# Altium PCB Heart-by-LED.PcbDoc
Units mm, origin at the board's own origin, x right, y up, seen from the top; angles counter-clockwise.
Board outline 98 x 98 mm, 4 copper layers (Top Copper, Signal Layer 1 (VCC), Signal Layer 2 (GND), Bottom Copper), stack 0.77 mm thick; 128 components, 112 nets, 411 pads, 1218 vias.
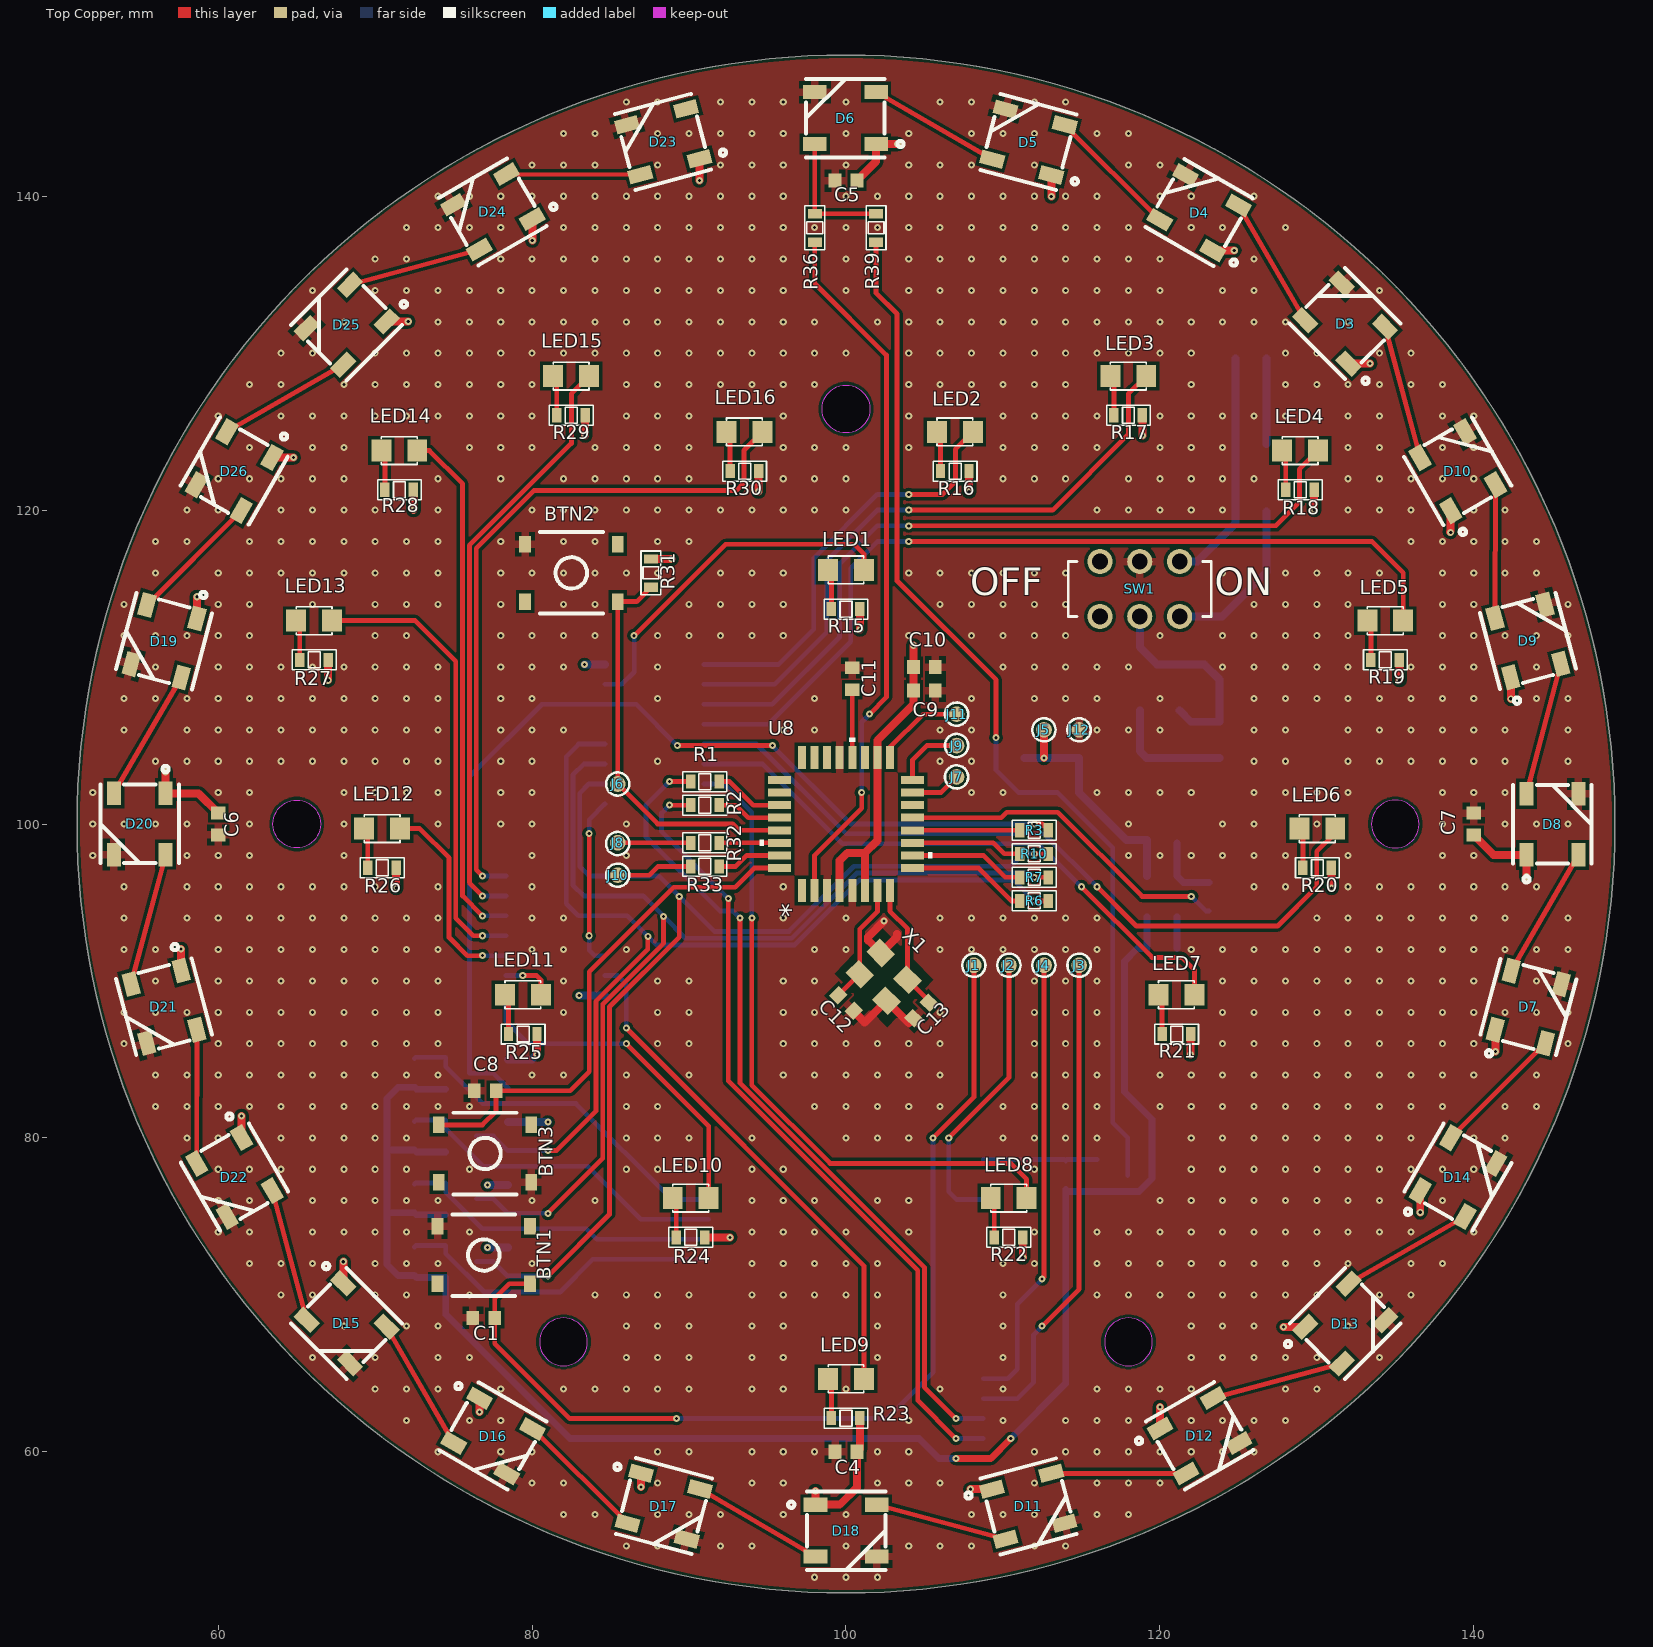
[diagram p0: Top Copper view]
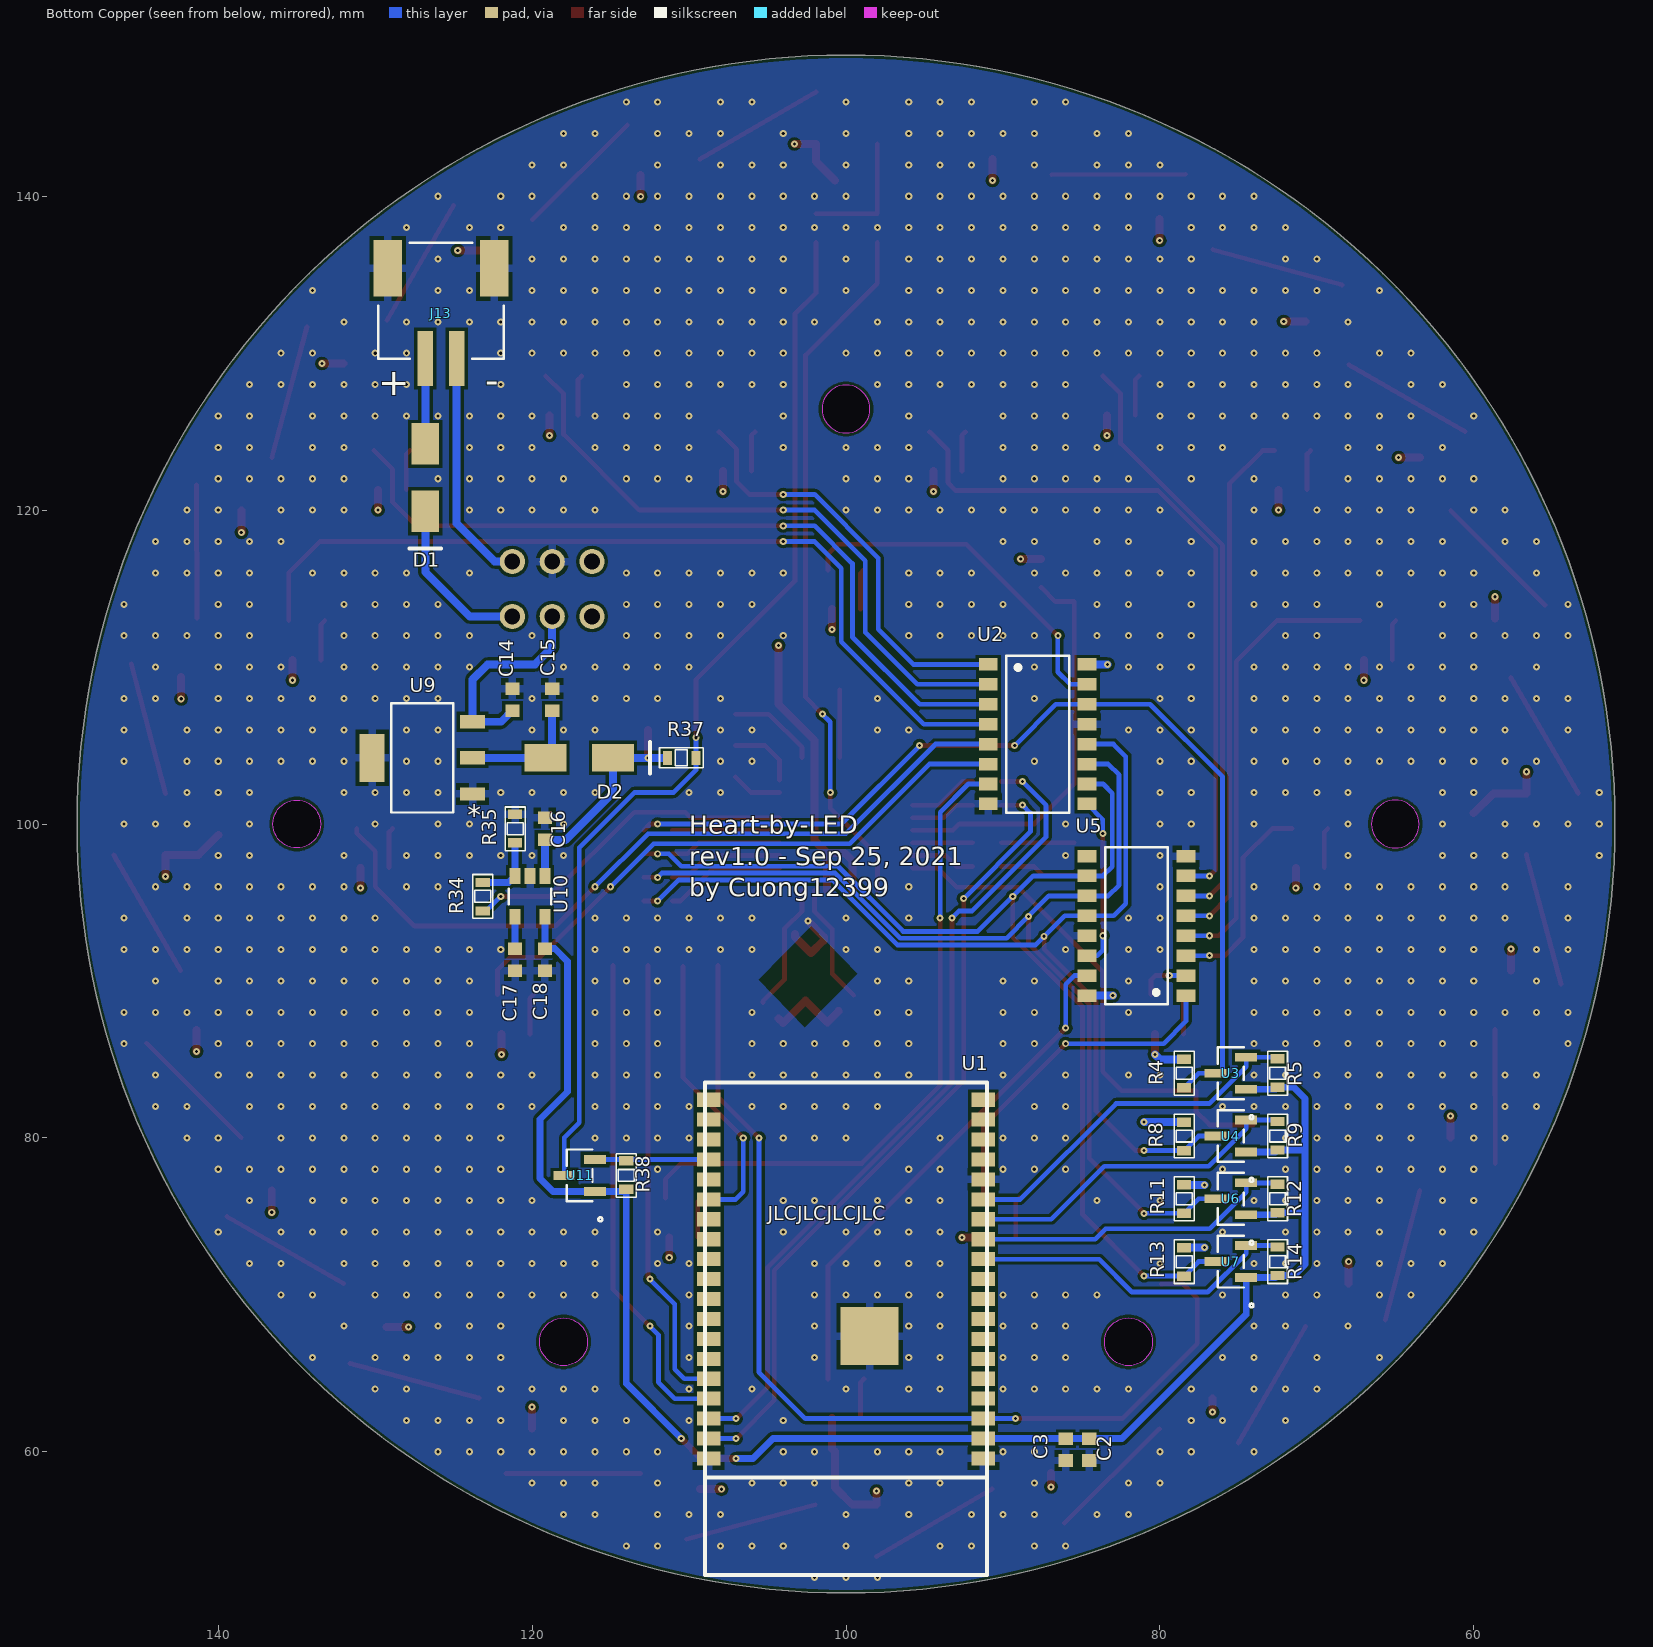
[diagram p1: Bottom Copper view, seen from below]
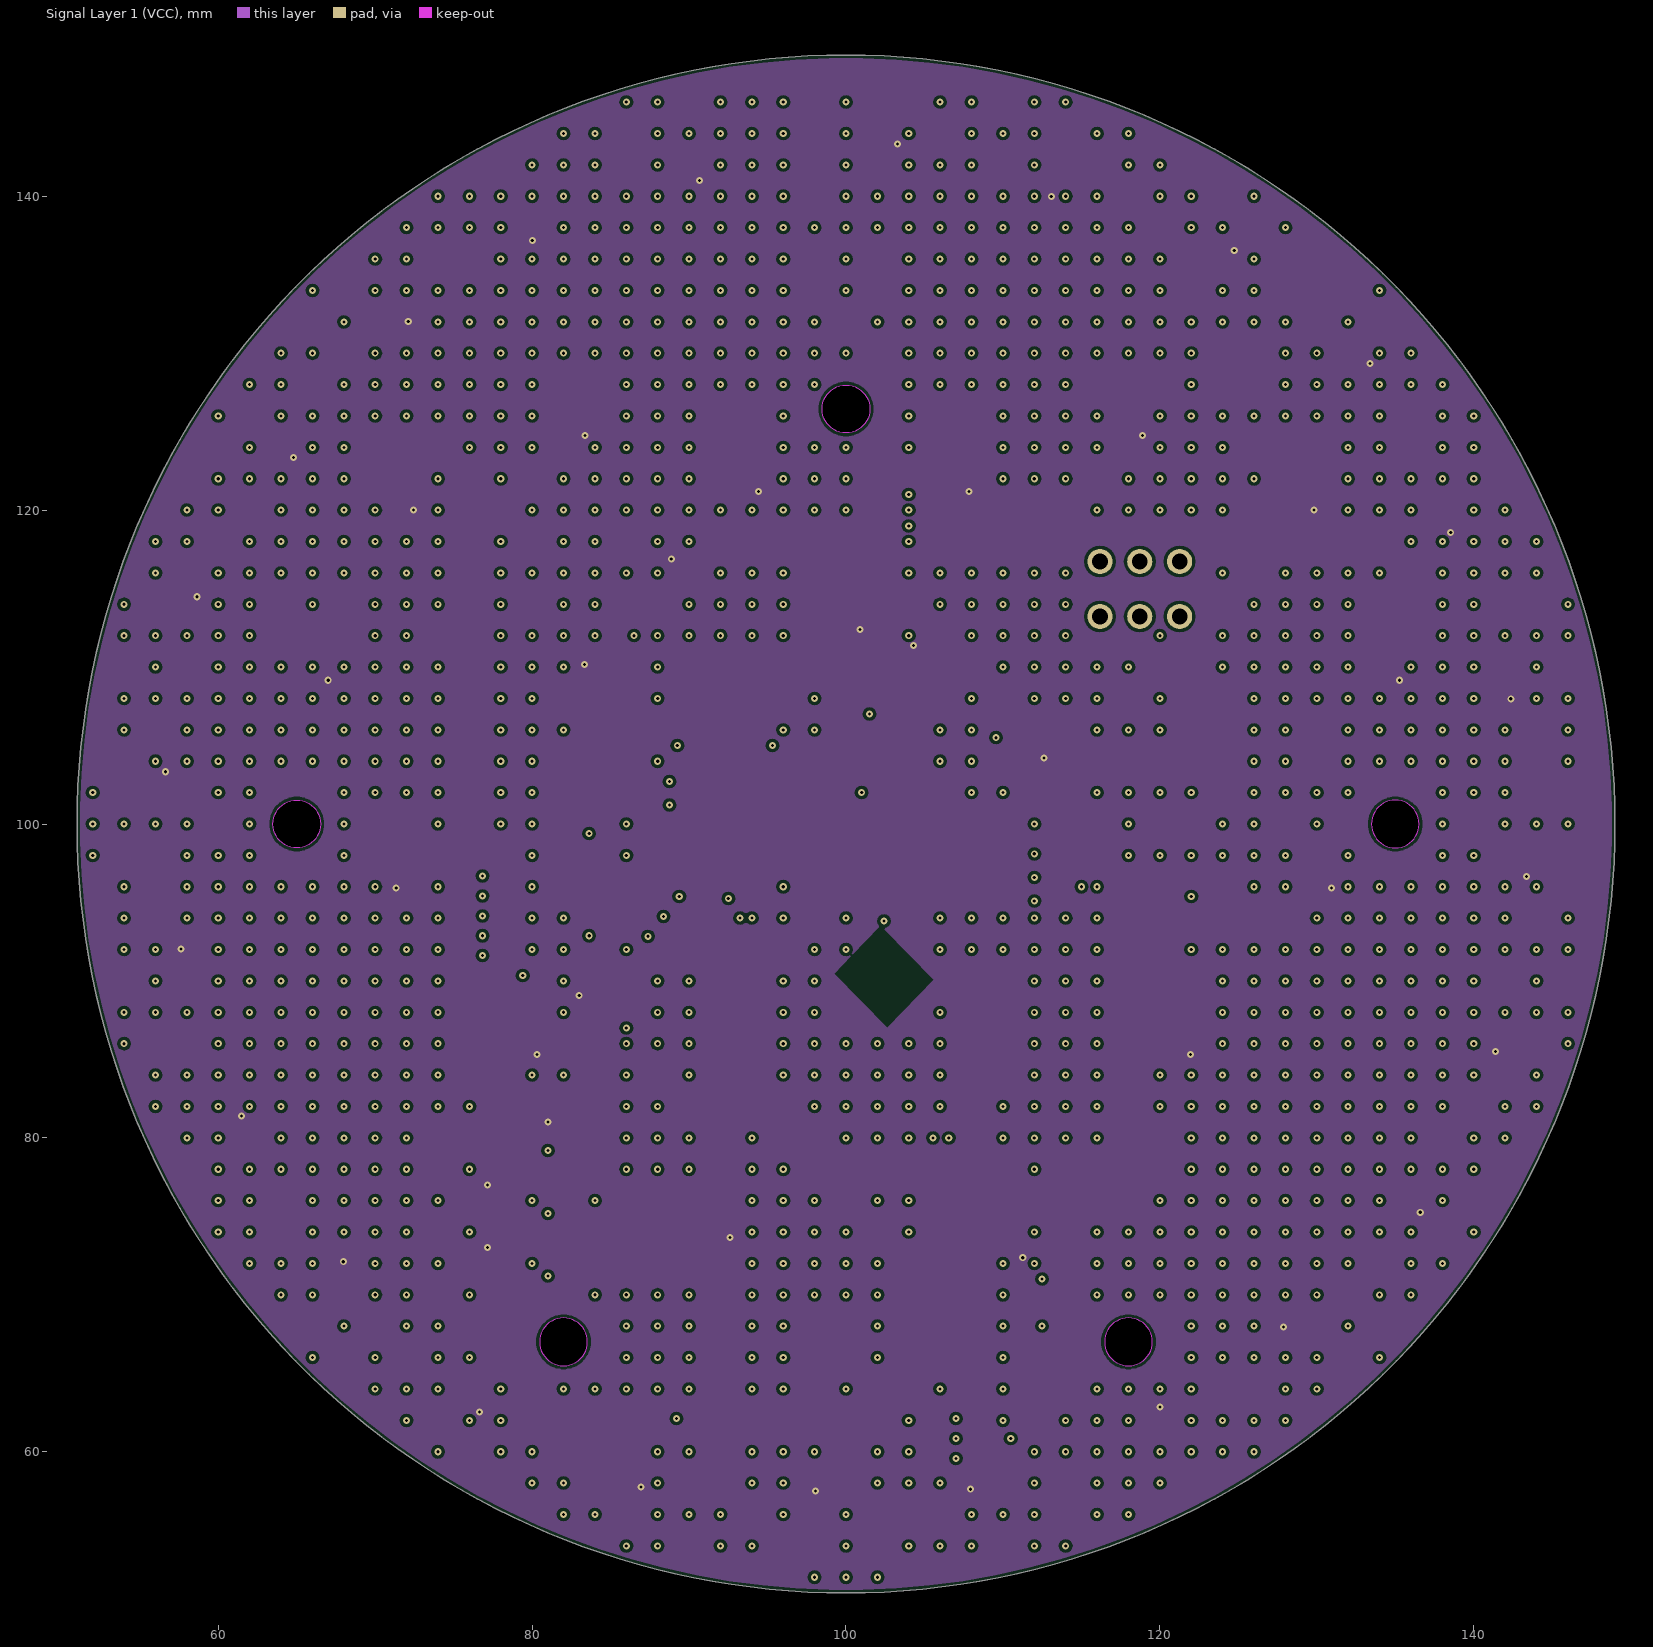
[diagram p2: Signal Layer 1 (VCC)]
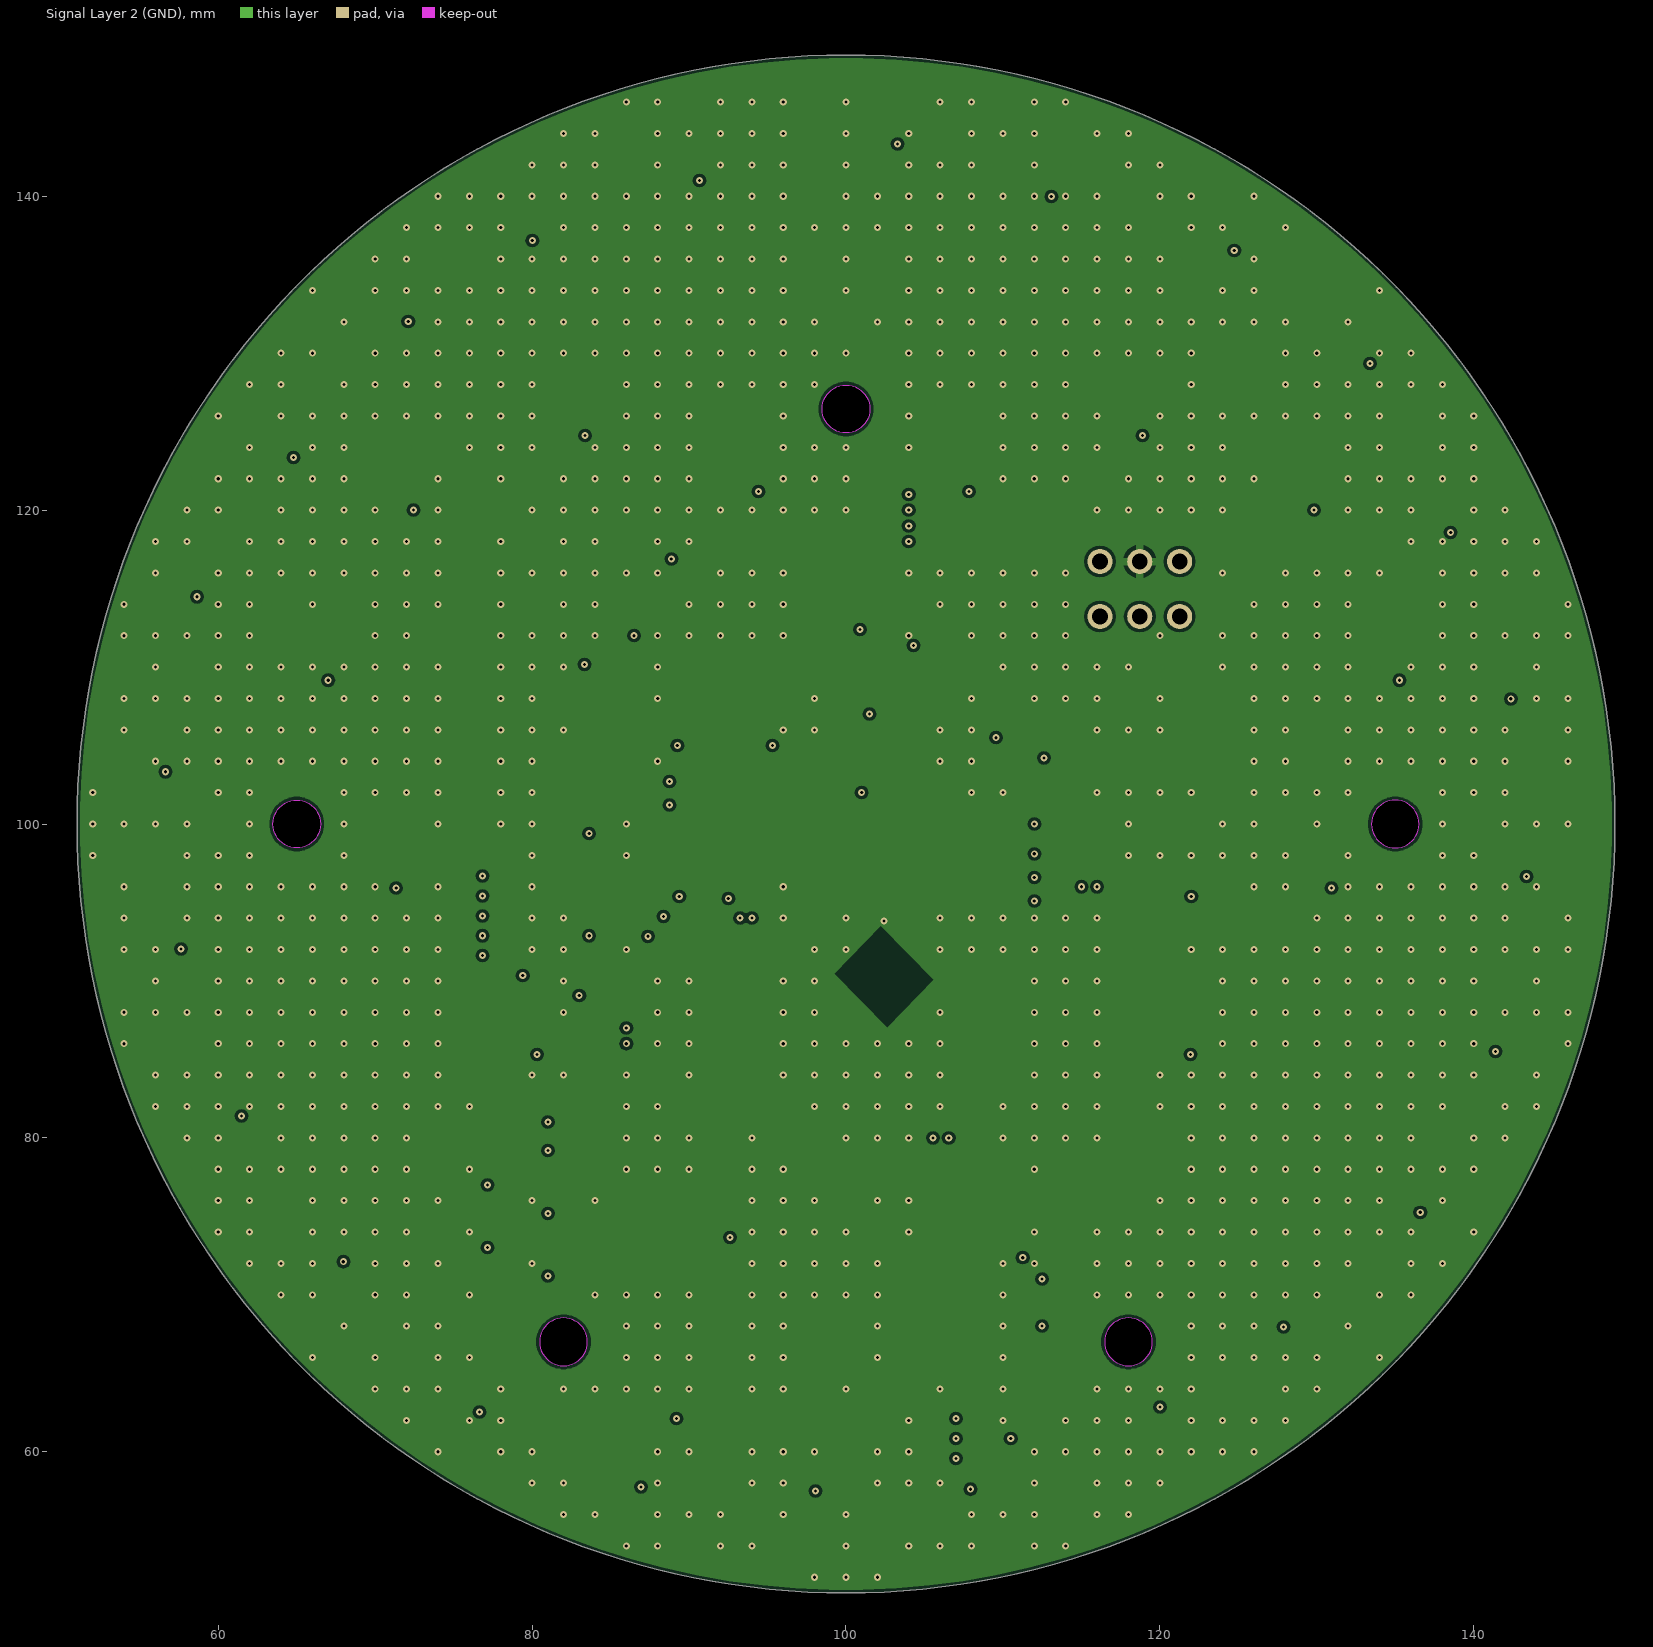
[diagram p3: Signal Layer 2 (GND)]
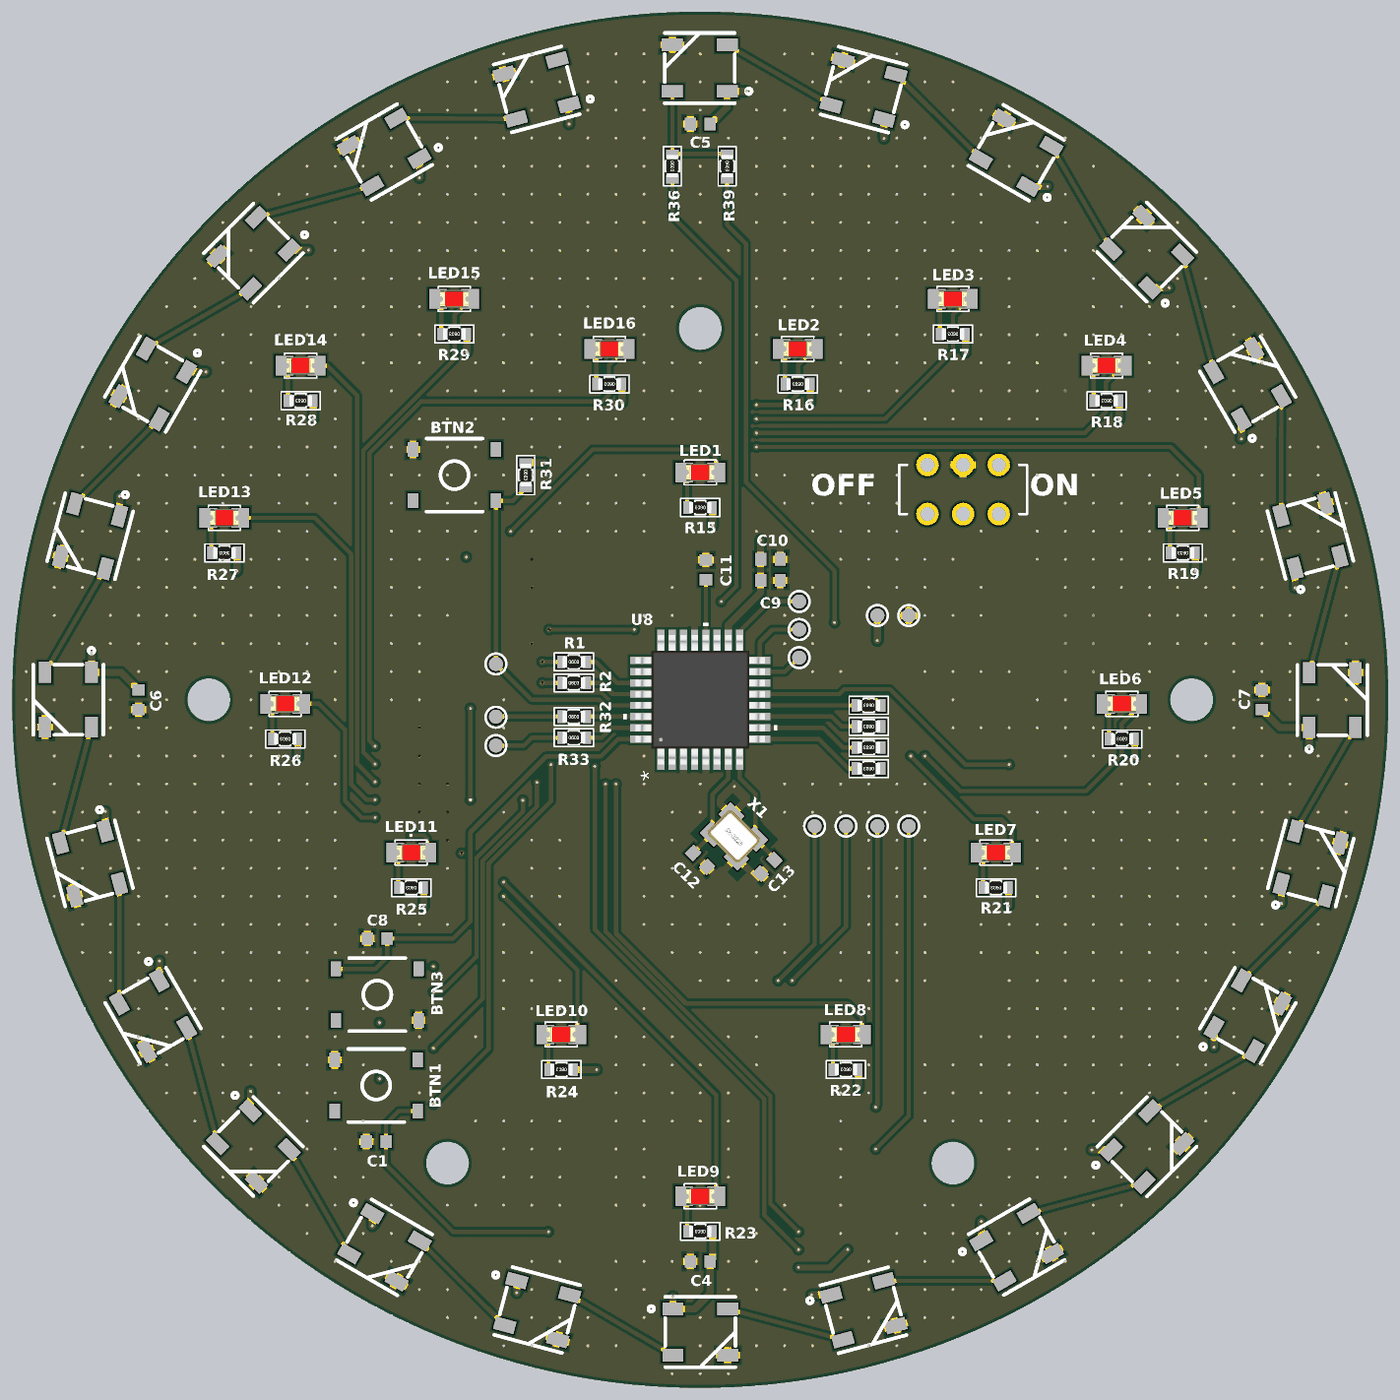
[diagram p4: 3D render of the assembled board from above, using the file's embedded part models]
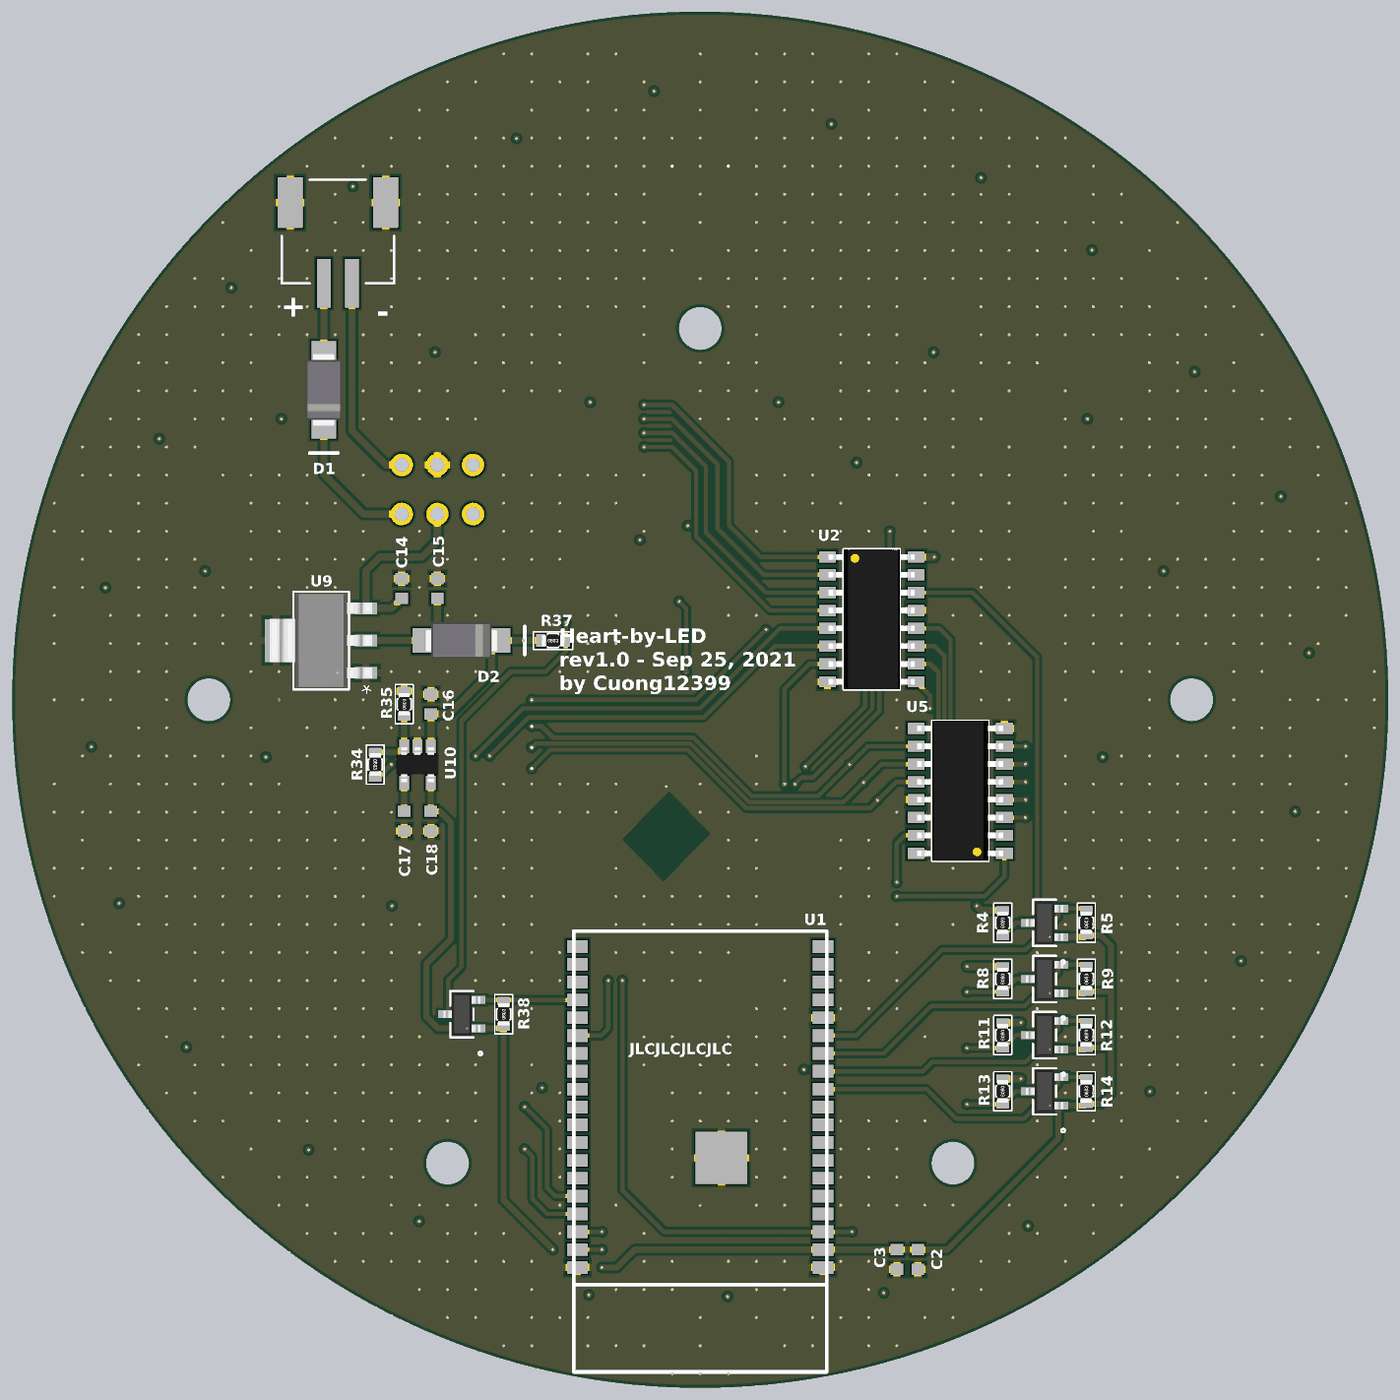
[diagram p5: 3D render of the assembled board from below, using the file's embedded part models]

## Layer stack, top to bottom
Top Mask: solder mask 0.015, Solder Resist, Dk 3.8
Top Copper: signal copper 0.035
Dielectric 1: prepreg 0.2, 7628, Dk 4.6
Signal Layer 1 (VCC): signal copper 0.0175
Core: core 0.265, FR-4, Dk 4.5
Signal Layer 2 (GND): signal copper 0.0175
Dielectric 2: prepreg 0.2, 7628, Dk 4.6
Bottom Copper: signal copper 0.035
Bottom Mask: solder mask 0.015, Solder Resist, Dk 3.8

## Board outline
100,51 cw(c100,100) 51,100 cw(c100,100) 100,149 cw(c100,100) 149,100 cw(c100,100)
cut-out: 80.475,67 ccw(c82,67) 82,65.475 ccw(c82,67) 83.525,67 ccw(c82,67) 82,68.525 ccw(c82,67)
cut-out: 65,98.475 cw(c65,100) 63.475,100 cw(c65,100) 65,101.525 cw(c65,100) 66.525,100 cw(c65,100)
cut-out: 100,124.92 cw(c100,126.445) 98.475,126.445 cw(c100,126.445) 100,127.97 cw(c100,126.445) 101.525,126.445 cw(c100,126.445)
cut-out: 133.475,100 ccw(c135,100) 135,98.475 ccw(c135,100) 136.525,100 ccw(c135,100) 135,101.525 ccw(c135,100)
cut-out: 116.475,67 ccw(c118,67) 118,65.475 ccw(c118,67) 119.525,67 ccw(c118,67) 118,68.525 ccw(c118,67)

## Design rules (kind name [scope] priority, off if disabled: settings)
BoardOutlineClearance [All] p1: gap=0.2 ignorepadtopadclearanceinfootprint=FALSE except(0.4: Arc-SplitBarrior Arc-SplitContinuation Track-SplitBarrior Track-SplitContinuation SMDPad-SplitBarrior SMDPad-SplitContinuation THPad-SplitBarrior THPad-SplitContinuation Via-SplitBarrior Via-SplitContinuation Fill-SplitBarrior Fill-SplitContinuation Poly-SplitBarrior Poly-SplitContinuation Region-SplitBarrior Region-SplitContinuation Text-SplitBarrior Text-SplitContinuation)
Clearance [All] p1: gap=0.2 ignorepadtopadclearanceinfootprint=FALSE except(0.089: Arc-SMDPad Track-SMDPad SMDPad-SMDPad; 0.127: Arc-Arc Arc-Track Arc-Via Track-Track Track-Via SMDPad-Via THPad-Via Via-Via; 0.254: Arc-Text Track-Text SMDPad-Text THPad-Text Via-Text Fill-Text Poly-Text Region-Text Text-Text)
HoleSize [All] p1: absolutevalues=TRUE maxlimit=6.3 minlimit=0.2 maxpercent=80.000 minpercent=20.000
MinimumAnnularRing [All] p1: minimumring=0.076
MinimumSolderMaskSliver [All] p1: minsoldermaskwidth=0.1
PlaneConnect [All] p1: planeconnectstyle=Direct reliefexpansion=0.508 reliefentries=4 reliefconductorwidth=0.254 reliefairgap=0.254
PolygonConnect [InNet('+5')] p1: connectstyle=Direct reliefconductorwidth=0.508 reliefentries=4 polygonreliefangle="90 Angle" airgapwidth=0.254
PolygonConnect PolygonConnect_2 [InNet('GND') vs IsVia] p2: connectstyle=Direct reliefconductorwidth=0.508 reliefentries=4 polygonreliefangle="90 Angle" airgapwidth=0.254
PolygonConnect PolygonConnect_1 [All] p3: connectstyle=Relief reliefconductorwidth=0.508 reliefentries=4 polygonreliefangle="90 Angle" airgapwidth=0.254
RoutingCorners [All] p1: cornerstyle=Round minsetback=2.54 maxsetback=2.54
RoutingVias [All] p1: holewidth=0.5 width=1 viastyle="Through Hole" minholewidth=0.2 minwidth=0.45 maxholewidth=1 maxwidth=2
SilkToSilkClearance [All] p1: silktosilkclearance=0.1
SilkToSolderMaskClearance [IsPad] p1: minsilkscreentomaskgap=0.1 clearancetoexposedcopper=TRUE
SolderMaskExpansion [All] p1: expansion=0.102
Width Width_GND [InNet('GND')] p1: maxlimit=2.54 minlimit=0.508 preferedwidth=0.508 minimp=50.000000 maximp=50.000000 favimp=50.000000
Width Width_5V [InNet('+5')] p2: maxlimit=2.54 minlimit=0.508 preferedwidth=0.508 minimp=50.000000 maximp=50.000000 favimp=50.000000
Width Width_3V [InNet('+3.3')] p3: maxlimit=2.54 minlimit=0.432 preferedwidth=0.432 minimp=50.000000 maximp=50.000000 favimp=50.000000
Width [All] p4: maxlimit=2.54 minlimit=0.305 preferedwidth=0.381
24 further rules are at their usual default settings.

## Classes and differential pairs
component class Power: C14 C15 C16 C17 C18 D1 D2 J13 R34 R35 SW1 U9 U10
component class WS2812B: D3 D4 D5 D6 D7 D8 D9 D10 D11 D12 D13 D14 D15 D16 D17 D18 D19 D20 D21 D22 D23 D24 D25 D26 R36 R37 R38 R39 U11
component class MCU: BTN2 BTN3 C8 C9 C10 C11 C12 C13 J5 J6 J7 J8 J9 J10 J11 J12 R31 R32 R33 U8 X1
component class LEDs: C4 C5 C6 C7 LED1 LED2 LED3 LED4 LED5 LED6 LED7 LED8 LED9 LED10 LED11 LED12 LED13 LED14 LED15 LED16 R3 R4 R5 R6 R7 R8 R9 R10 R11 R12 R13 R14 R15 R16 R17 R18 R19 R20 R21 R22 R23 R24 R25 R26 R27 R28 R29 R30 U2 U3 U4 U5 U6 U7
component class ESP32: BTN1 C1 C2 C3 J1 J2 J3 J4 R1 R2 U1
